# Allegro board SDHCalFEB.brd (continued)
## Routing (per net, layer and track width the routed paths; a pad name or vN(x,y) marks a point on that pad's centre or on a via; arc(x,y) is an arc through that point) (continued)
GEM_OUT_L27: length 37.2
  TOP w0.127: R943.1 v2(95.05,157.45) 96.53,157.45 R1995.2
  GND1 w0.127: v2(95.05,157.45) v3(95.05,156.72)
  SIG3 w0.127: v3(95.05,156.72) 95.05,150.52 91.19,146.66 88.54,146.66 85.85,143.97 73.23,143.97 v3(71.46,142.2)
  GND3 w0.127: v4(72.2,142.2) v3(71.46,142.2)
GEM_OUT_L28: length 3.4
  TOP w0.127: R944.1 82.2,141.68 v2(82.2,140.73) 82.2,139.78 R1991.2
  GND1 w0.127: v3(82.2,141.46) v2(82.2,140.73)
  GND3 w0.127: v4(82.2,142.2) v3(82.2,141.46)
GEM_OUT_L29: length 3.4
  TOP w0.127: R945.1 92.2,141.69 v2(92.2,140.73) 92.2,139.77 R1987.2
  GND1 w0.127: v3(92.2,141.46) v2(92.2,140.73)
  GND3 w0.127: v4(92.2,142.2) v3(92.2,141.46)
GEM_OUT_L31: length 31.4
  TOP w0.127: R2003.2 23.15,138.84 v2(24.1,138.84) R947.1
  GND1 w0.127: v3(24.84,138.84) v2(24.1,138.84)
  SIG3 w0.127: v3(51.46,142.2) 43.09,142.2 39.73,138.84 v3(24.84,138.84)
  GND3 w0.127: v4(52.2,142.2) v3(51.46,142.2)
GEM_OUT_L34: length 21.4
  TOP w0.127: R2031.2 23.37,136.19 v2(24.31,136.19) R950.1
  GND1 w0.127: v3(25.04,136.19) v2(24.31,136.19)
  SIG3 w0.127: v3(41.24,132.2) 29.04,132.2 v3(25.04,136.19)
  GND3 w0.127: v4(42.2,132.2) v3(41.24,132.2)
GEM_OUT_L36: length 40.5
  TOP w0.127: R952.1 v2(21.84,114.33) 21.84,113.37 R2027.2
  GND1 w0.127: v3(21.84,115.06) v2(21.84,114.33)
  SIG3 w0.127: v3(52.2,131.46) 38.25,131.46 v3(21.84,115.06)
  GND3 w0.127: v4(52.2,132.2) v3(52.2,131.46)
GEM_OUT_L37: length 4
  TOP w0.127: R2011.2 93.67,130.69 v2(93.67,132.2) 94.63,132.2 R953.1
  GND1 w0.127: v3(92.94,132.2) v2(93.67,132.2)
  GND3 w0.127: v4(92.2,132.2) v3(92.94,132.2)
GEM_OUT_L38: length 3.4
  TOP w0.127: R2015.2 82.73,132.2 v2(83.67,132.2) 84.62,132.2 R954.1
  GND1 w0.127: v3(82.94,132.2) v2(83.67,132.2)
  GND3 w0.127: v4(82.2,132.2) v3(82.94,132.2)
GEM_OUT_L39: length 19.1
  TOP w0.127: R2019.2 86.7,130.25 R955.1 v2(86.69,131.6)
  GND1 w0.127: v3(85.95,131.6) v2(86.69,131.6)
  SIG3 w0.127: v3(85.95,131.6) 72.07,131.6 v3(71.46,132.2)
  GND3 w0.127: v4(72.2,132.2) v3(71.46,132.2)
GEM_OUT_L40: length 47.9
  TOP w0.127: R2023.2 24.48,113.37 v2(24.48,114.33) R956.1
  GND1 w0.127: v3(24.48,115.06) v2(24.48,114.33)
  SIG3 w0.127: v3(62.2,131.46) 60.1,129.36 38.78,129.36 v3(24.48,115.06)
  GND3 w0.127: v4(62.2,132.2) v3(62.2,131.46)
GEM_OUT_L42: length 28.6
  TOP w0.127: R958.1 v2(29.79,112.8) 29.79,111.85 R2051.2
  GND1 w0.127: v3(29.79,113.54) v2(29.79,112.8)
  SIG3 w0.127: v3(29.79,113.54) 38.45,122.2 v3(51.46,122.2)
  GND3 w0.127: v4(52.2,122.2) v3(51.46,122.2)
GEM_OUT_L45: length 36
  TOP w0.127: R961.1 v2(32.43,113.89) 32.43,112.94 R2047.2
  GND1 w0.127: v3(32.43,114.63) v2(32.43,113.89)
  SIG3 w0.127: v3(32.43,114.63) 55.37,114.63 v3(62.2,121.46)
  GND3 w0.127: v4(62.2,122.2) v3(62.2,121.46)
GEM_OUT_L47: length 3.9
  TOP w0.127: R2035.2 93.67,120.72 v2(93.67,122.2) R963.1
  GND1 w0.127: v3(92.94,122.2) v2(93.67,122.2)
  GND3 w0.127: v4(92.2,122.2) v3(92.94,122.2)
GEM_OUT_L48: length 3.9
  TOP w0.127: R964.1 84.65,122.2 v2(83.67,122.2) 83.67,120.72 R2039.2
  GND1 w0.127: v3(82.94,122.2) v2(83.67,122.2)
  GND3 w0.127: v4(82.2,122.2) v3(82.94,122.2)
GEM_OUT_L49: length 8.7
  TOP w0.127: R965.1 79.42,122.2 v2(78.46,122.2) 78.46,120.71 R2043.2
  GND1 w0.127: v3(77.72,122.2) v2(78.46,122.2)
  SIG3 w0.127: v3(72.94,122.2) v3(77.72,122.2)
  GND3 w0.127: v4(72.2,122.2) v3(72.94,122.2)
GEM_OUT_L50: length 3.4
  TOP w0.127: R966.1 42.2,119.76 v2(42.2,120.73) 42.2,121.68 R2055.2
  GND1 w0.127: v3(42.2,121.46) v2(42.2,120.73)
  GND3 w0.127: v4(42.2,122.2) v3(42.2,121.46)
GEM_OUT_L53: length 3.9
  TOP w0.127: R2079.2 40.7,110.73 v2(42.2,110.73) 42.2,109.77 R969.1
  GND1 w0.127: v3(42.2,111.46) v2(42.2,110.73)
  GND3 w0.127: v4(42.2,112.2) v3(42.2,111.46)
GEM_OUT_L54: length 3.9
  TOP w0.127: R2103.2 40.73,100.73 v2(40.73,102.2) 39.78,102.2 R970.1
  GND1 w0.127: v3(41.46,102.2) v2(40.73,102.2)
  GND3 w0.127: v4(42.2,102.2) v3(41.46,102.2)
GEM_OUT_L55: length 3.4
  TOP w0.127: R971.1 49.76,102.2 v2(50.73,102.2) 51.68,102.2 R2099.2
  GND1 w0.127: v3(51.46,102.2) v2(50.73,102.2)
  GND3 w0.127: v4(52.2,102.2) v3(51.46,102.2)
GEM_OUT_L56: length 3.9
  TOP w0.127: R2075.2 50.73,110.71 v2(50.73,112.2) 49.77,112.2 R972.1
  GND1 w0.127: v3(51.46,112.2) v2(50.73,112.2)
  GND3 w0.127: v4(52.2,112.2) v3(51.46,112.2)
GEM_OUT_L57: length 3.9
  TOP w0.127: R2095.2 60.73,100.72 v2(60.73,102.2) R973.1
  GND1 w0.127: v3(61.46,102.2) v2(60.73,102.2)
  GND3 w0.127: v4(62.2,102.2) v3(61.46,102.2)
GEM_OUT_L58: length 3.4
  TOP w0.127: R974.1 69.75,102.2 v2(70.73,102.2) 71.67,102.2 R2091.2
  GND1 w0.127: v3(71.46,102.2) v2(70.73,102.2)
  GND3 w0.127: v4(72.2,102.2) v3(71.46,102.2)
GEM_OUT_L59: length 3.4
  TOP w0.127: R2087.2 81.68,102.2 v2(80.73,102.2) R975.1
  GND1 w0.127: v3(81.46,102.2) v2(80.73,102.2)
  GND3 w0.127: v4(82.2,102.2) v3(81.46,102.2)
GEM_OUT_L60: length 3.4
  TOP w0.127: R2083.2 91.68,102.2 v2(90.73,102.2) R976.1
  GND1 w0.127: v3(91.46,102.2) v2(90.73,102.2)
  GND3 w0.127: v4(92.2,102.2) v3(91.46,102.2)
GEM_OUT_L61: length 3.9
  TOP w0.127: R2059.2 93.68,110.73 v2(92.2,110.73) 92.2,109.77 R977.1
  GND1 w0.127: v3(92.2,111.46) v2(92.2,110.73)
  GND3 w0.127: v4(92.2,112.2) v3(92.2,111.46)
GEM_OUT_L62: length 3.9
  TOP w0.127: R978.1 82.2,109.78 v2(82.2,110.73) 83.69,110.73 R2063.2
  GND1 w0.127: v3(82.2,111.46) v2(82.2,110.73)
  GND3 w0.127: v4(82.2,112.2) v3(82.2,111.46)
GEM_OUT_L63: length 3.4
  TOP w0.127: R979.1 72.2,109.78 v2(72.2,110.73) 72.2,111.7 R2067.2
  GND1 w0.127: v3(72.2,111.46) v2(72.2,110.73)
  GND3 w0.127: v4(72.2,112.2) v3(72.2,111.46)
GEM_OUT_L64: length 3.4
  TOP w0.127: R2071.2 60.73,112.2 v2(60.73,112.2) R980.1
  GND1 w0.127: v3(61.46,112.2) v2(60.73,112.2)
  GND3 w0.127: v4(62.2,112.2) v3(61.46,112.2)
GEM_OUT_M1: length 5.1
  TOP w0.127: R1000.1 332.2,78.11 v2(332.2,80.73) 333.15,80.73 R2206.2
  GND1 w0.127: v3(332.2,81.46) v2(332.2,80.73)
  GND3 w0.127: v4(332.2,82.2) v3(332.2,81.46)
GEM_OUT_M2: length 3.4
  TOP w0.127: R2176.2 332.2,92.71 v2(332.2,93.67) 332.2,94.64 R1001.1
  GND1 w0.127: v3(332.2,92.94) v2(332.2,93.67)
  GND3 w0.127: v4(332.2,92.2) v3(332.2,92.94)
GEM_OUT_M3: length 3.4
  TOP w0.127: R2208.2 322.2,82.71 v2(322.2,83.67) 322.2,84.64 R1002.1
  GND1 w0.127: v3(322.2,82.94) v2(322.2,83.67)
  GND3 w0.127: v4(322.2,82.2) v3(322.2,82.94)
GEM_OUT_M4: length 3.9
  TOP w0.127: R2225.2 320.73,93.69 v2(320.73,92.2) 319.77,92.2 R1003.1
  GND1 w0.127: v3(321.46,92.2) v2(320.73,92.2)
  GND3 w0.127: v4(322.2,92.2) v3(321.46,92.2)
GEM_OUT_M5: length 3.4
  TOP w0.127: R1004.1 312.2,84.63 v2(312.2,83.67) 312.2,82.71 R2209.2
  GND1 w0.127: v3(312.2,82.94) v2(312.2,83.67)
  GND3 w0.127: v4(312.2,82.2) v3(312.2,82.94)
GEM_OUT_M6: length 3.9
  TOP w0.127: R1005.1 309.79,92.2 v2(310.73,92.2) 310.73,93.69 R2181.2
  GND1 w0.127: v3(311.46,92.2) v2(310.73,92.2)
  GND3 w0.127: v4(312.2,92.2) v3(311.46,92.2)
GEM_OUT_M7: length 3.4
  TOP w0.127: R1006.1 v2(302.2,83.67) 302.2,82.71 R2221.2
  GND1 w0.127: v3(302.2,82.94) v2(302.2,83.67)
  GND3 w0.127: v4(302.2,82.2) v3(302.2,82.94)
GEM_OUT_M8: length 3.9
  TOP w0.127: R1007.1 299.78,92.2 v2(300.73,92.2) 300.73,93.68 R2183.2
  GND1 w0.127: v3(301.46,92.2) v2(300.73,92.2)
  GND3 w0.127: v4(302.2,92.2) v3(301.46,92.2)
GEM_OUT_M9: length 3.4
  TOP w0.127: R2223.2 292.2,82.73 v2(292.2,83.67) 292.2,84.64 R1008.1
  GND1 w0.127: v3(292.2,82.94) v2(292.2,83.67)
  GND3 w0.127: v4(292.2,82.2) v3(292.2,82.94)
GEM_OUT_M10: length 3.4
  TOP w0.127: R1009.1 292.2,94.63 v2(292.2,93.67) 292.2,92.72 R2185.2
  GND1 w0.127: v3(292.2,92.94) v2(292.2,93.67)
  GND3 w0.127: v4(292.2,92.2) v3(292.2,92.94)
GEM_OUT_M11: length 3.4
  TOP w0.127: R2186.2 282.2,92.72 v2(282.2,93.67) 282.2,94.64 R1010.1
  GND1 w0.127: v3(282.2,92.94) v2(282.2,93.67)
  GND3 w0.127: v4(282.2,92.2) v3(282.2,92.94)
GEM_OUT_M12: length 3.4
  TOP w0.127: R1011.1 282.2,84.64 v2(282.2,83.67) 282.2,82.73 R2224.2
  GND1 w0.127: v3(282.2,82.94) v2(282.2,83.67)
  GND3 w0.127: v4(282.2,82.2) v3(282.2,82.94)
GEM_OUT_M13: length 3.9
  TOP w0.127: R1012.1 274.62,92.2 v2(273.67,92.2) 273.67,93.68 R2194.2
  GND1 w0.127: v3(272.94,92.2) v2(273.67,92.2)
  GND3 w0.127: v4(272.2,92.2) v3(272.94,92.2)
GEM_OUT_M14: length 3.9
  TOP w0.127: R1013.1 262.2,89.78 v2(262.2,90.73) 260.72,90.73 R2218.2
  GND1 w0.127: v3(262.2,91.46) v2(262.2,90.73)
  GND3 w0.127: v4(262.2,92.2) v3(262.2,91.46)
GEM_OUT_M15: length 3.9
  TOP w0.127: 282.73,72.2 282.73,72.2 v2(283.67,72.2) ; 282.73,72.2 R2260.2 ; 282.73,72.2 R1014.1
  GND1 w0.127: v3(282.94,72.2) v2(283.67,72.2)
  GND3 w0.127: v4(282.2,72.2) v3(282.94,72.2)
GEM_OUT_M16: length 3.4
  TOP w0.127: R1015.1 274.61,82.2 v2(273.67,82.2) 272.71,82.2 R2232.2
  GND1 w0.127: v3(272.94,82.2) v2(273.67,82.2)
  GND3 w0.127: v4(272.2,82.2) v3(272.94,82.2)
GEM_OUT_M17: length 3.4
  TOP w0.127: R1016.1 264.62,82.2 v2(263.67,82.2) 262.72,82.2 R2236.2
  GND1 w0.127: v3(262.94,82.2) v2(263.67,82.2)
  GND3 w0.127: v4(262.2,82.2) v3(262.94,82.2)
GEM_OUT_M18: length 38.7
  TOP w0.127: R2256.2 257.83,79.25 v2(258.78,79.25) R1017.1
  GND1 w0.127: v3(259.51,79.25) v2(258.78,79.25)
  SIG3 w0.127: v3(292.2,72.94) 285.89,79.25 v3(259.51,79.25)
  GND3 w0.127: v4(292.2,72.2) v3(292.2,72.94)
GEM_OUT_M19: length 3.4
  TOP w0.127: R2264.2 274.61,72.2 v2(273.67,72.2) 272.72,72.2 R1018.1
  GND1 w0.127: v3(272.94,72.2) v2(273.67,72.2)
  GND3 w0.127: v4(272.2,72.2) v3(272.94,72.2)
GEM_OUT_M20: length 3.4
  TOP w0.127: R1019.1 263.14,73.67 v2(262.2,73.67) 261.25,73.67 R2268.2
  GND1 w0.127: v3(262.2,72.94) v2(262.2,73.67)
  GND3 w0.127: v4(262.2,72.2) v3(262.2,72.94)
GEM_OUT_M21: length 45
  TOP w0.127: R2252.2 258.88,71.4 v2(259.82,71.4) R1020.1
  GND1 w0.127: v2(259.82,71.4) v3(260.55,71.4)
  SIG3 w0.127: v3(302.2,71.46) 261.16,71.46 261.1,71.4 v3(260.55,71.4)
  GND3 w0.127: v4(302.2,72.2) v3(302.2,71.46)
GEM_OUT_M22: length 9.3
  TOP w0.127: R2248.2 318.61,72.2 v2(319.56,72.2) 320.49,72.2 R1021.1
  GND1 w0.127: v3(318.82,72.2) v2(319.56,72.2)
  SIG3 w0.127: v3(312.94,72.2) v3(318.82,72.2)
  GND3 w0.127: v4(312.2,72.2) v3(312.94,72.2)
GEM_OUT_M23: length 3.4
  TOP w0.127: R1022.1 323.16,70.73 v2(322.2,70.73) 321.23,70.73 R2244.2
  GND1 w0.127: v3(322.2,71.46) v2(322.2,70.73)
  GND3 w0.127: v4(322.2,72.2) v3(322.2,71.46)
GEM_OUT_M24: length 3.9
  TOP w0.127: R1023.1 330.51,71.46 v2(331.46,71.46) 331.46,72.97 R2240.2
  GND1 w0.127: v3(332.2,71.46) v2(331.46,71.46)
  GND3 w0.127: v4(332.2,72.2) v3(332.2,71.46)
GEM_OUT_M25: length 23.7
  TOP w0.127: v2(271.73,63.94) R1024.1 272.68,63.93 R2288.2
  GND1 w0.127: v2(271.73,63.94) v3(272.47,63.94)
  SIG3 w0.127: v3(291.42,62.2) 282.35,62.2 280.61,63.94 v3(272.47,63.94)
  GND3 w0.127: v4(292.2,62.2) v3(291.42,62.2)
GEM_OUT_M26: length 11.9
  TOP w0.127: R2292.2 274.2,60.77 R1025.1 v2(273.25,62.26)
  GND1 w0.127: v2(273.25,62.26) v3(273.77,61.73)
  SIG3 w0.127: v3(273.77,61.73) 274.81,61.73 274.86,61.68 v3(281.68,61.68)
  GND3 w0.127: v4(282.2,62.2) v3(281.68,61.68)
GEM_OUT_M27: length 13.3
  TOP w0.127: R2280.2 v2(320.52,66.12) R1026.1
  GND1 w0.127: v3(319.79,66.12) v2(320.52,66.12)
  SIG3 w0.127: v3(311.46,62.2) 312.69,62.2 315.14,64.64 318.31,64.64 v3(319.79,66.12)
  GND3 w0.127: v4(312.2,62.2) v3(311.46,62.2)
GEM_OUT_M28: length 3.4
  TOP w0.127: R1027.1 324.62,62.2 v2(323.67,62.2) 322.71,62.2 R2276.2
  GND1 w0.127: v3(322.94,62.2) v2(323.67,62.2)
  GND3 w0.127: v4(322.2,62.2) v3(322.94,62.2)
GEM_OUT_M29: length 3.4
  TOP w0.127: R2272.2 332.2,61.68 v2(332.2,60.73) 332.2,59.78 R1028.1
  GND1 w0.127: v3(332.2,61.46) v2(332.2,60.73)
  GND3 w0.127: v4(332.2,62.2) v3(332.2,61.46)
GEM_OUT_M30: length 3.4
  TOP w0.127: R1029.1 269.78,62.2 v2(270.73,62.2) 271.7,62.2 R2296.2
  GND1 w0.127: v3(271.46,62.2) v2(270.73,62.2)
  GND3 w0.127: v4(272.2,62.2) v3(271.46,62.2)
GEM_OUT_M31: length 46.4
  TOP w0.127: R1030.1 v2(261.45,67.36) R2284.2
  GND1 w0.127: v3(261.45,66.62) v2(261.45,67.36)
  SIG3 w0.127: v3(261.45,66.62) 279.37,66.62 283.34,62.66 288.32,62.66 289,63.35 300.32,63.35 v3(301.46,62.2)
  GND3 w0.127: v4(302.2,62.2) v3(301.46,62.2)
GEM_OUT_M32: length 3.9
  TOP w0.127: R2300.2 261.45,61.46 v2(262.94,61.46) 262.94,60.52 R1031.1
  GND1 w0.127: v2(262.94,61.46) v3(262.2,61.46)
  GND3 w0.127: v4(262.2,62.2) v3(262.2,61.46)
GEM_OUT_M33: length 4
  TOP w0.127: R1032.1 263.67,53.16 v2(263.67,52.2) 262.13,52.2 R2330.2
  GND1 w0.127: v3(262.94,52.2) v2(263.67,52.2)
  GND3 w0.127: v4(262.2,52.2) v3(262.94,52.2)
GEM_OUT_M35: length 3.4
  TOP w0.127: R2326.2 271.68,52.2 v2(270.73,52.2) 269.77,52.2 R1034.1
  GND1 w0.127: v3(271.46,52.2) v2(270.73,52.2)
  GND3 w0.127: v4(272.2,52.2) v3(271.46,52.2)
GEM_OUT_M40: length 7.4
  TOP w0.127: v2(280.94,51.68) 278.92,49.66 R1039.1 R2323.2
  GND1 w0.127: v3(281.46,52.2) v2(280.94,51.68)
  GND3 w0.127: v4(282.2,52.2) v3(281.46,52.2)
GEM_OUT_M41: length 3.4
  TOP w0.127: R1040.1 262.2,44.62 v2(262.2,43.67) 262.2,42.73 R2362.2
  GND1 w0.127: v3(262.2,42.94) v2(262.2,43.67)
  GND3 w0.127: v4(262.2,42.2) v3(262.2,42.94)
GEM_OUT_M44: length 3.4
  TOP w0.127: R1043.1 269.78,42.2 v2(270.73,42.2) 271.67,42.2 R2358.2
  GND1 w0.127: v3(271.46,42.2) v2(270.73,42.2)
  GND3 w0.127: v4(272.2,42.2) v3(271.46,42.2)
GEM_OUT_M50: length 3.4
  TOP w0.127: R2354.2 282.2,41.68 v2(282.2,40.73) 282.2,39.77 R1049.1
  GND1 w0.127: v3(282.2,41.46) v2(282.2,40.73)
  GND3 w0.127: v4(282.2,42.2) v3(282.2,41.46)
GEM_OUT_M51: length 28.8
  TOP w0.127: R1050.1 v2(276.05,32.85) 275.09,32.85 R2320.2
  GND1 w0.127: v2(276.05,32.85) v3(276.78,32.85)
  SIG3 w0.127: v3(276.78,32.85) 291.46,47.53 v3(291.46,52.2)
  GND3 w0.127: v4(292.2,52.2) v3(291.46,52.2)
GEM_OUT_M52: length 22.1
  TOP w0.127: R1051.1 v2(277.42,30.23) 276.46,30.23 R2350.2
  GND1 w0.127: v3(278.16,30.23) v2(277.42,30.23)
  SIG3 w0.127: v3(278.16,30.23) 280.97,30.23 v3(292.2,41.46)
  GND3 w0.127: v4(292.2,42.2) v3(292.2,41.46)
GEM_OUT_M53: length 1.5
  TOP w0.127: R1052.1 275.22,24.62 R2484.1
GEM_OUT_M54: length 35.5
  TOP w0.127: R2346.2 276.34,22.23 v2(277.29,22.23) R1053.1
  GND1 w0.127: v2(277.29,22.23) v3(278.03,22.23)
  SIG3 w0.127: v3(278.03,22.23) 282.97,22.23 v3(302.2,41.46)
  GND3 w0.127: v4(302.2,42.2) v3(302.2,41.46)
GEM_OUT_M55: length 45.7
  TOP w0.127: R2312.2 289.45,17.28 v2(289.45,18.25) R1054.1
  GND1 w0.127: v2(289.45,18.25) v3(289.45,18.98)
  SIG3 w0.127: v3(311.46,52.2) 311.46,45.88 289.45,23.87 v3(289.45,18.98)
  GND3 w0.127: v4(312.2,52.2) v3(311.46,52.2)
GEM_OUT_M56: length 35
  TOP w0.127: R1055.1 v2(291.89,18.24) 291.89,17.26 R2342.2
  GND1 w0.127: v3(291.89,18.97) v2(291.89,18.24)
  SIG3 w0.127: v3(312.2,41.46) 312.2,38.08 293.09,18.97 v3(291.89,18.97)
  GND3 w0.127: v4(312.2,42.2) v3(312.2,41.46)
GEM_OUT_M57: length 37.5
  TOP w0.127: R1056.1 v2(306.98,18.33) 307.94,18.33 R2334.2
  GND1 w0.127: v3(307.72,18.33) v2(306.98,18.33)
  SIG3 w0.127: v3(307.72,18.33) 308.7,18.33 330.96,40.59 331.33,40.59 v3(332.2,41.46)
  GND3 w0.127: v4(332.2,42.2) v3(332.2,41.46)
GEM_OUT_M58: length 44.4
  TOP w0.127: R1057.1 v2(306.65,21.15) 307.61,21.15 R2304.2
  GND1 w0.127: v3(307.39,21.15) v2(306.65,21.15)
  SIG3 w0.127: v3(331.46,52.2) 331.46,45.22 v3(307.39,21.15)
  GND3 w0.127: v4(332.2,52.2) v3(331.46,52.2)
GEM_OUT_M59: length 23.5
  TOP w0.127: R2338.2 309.24,26.84 v2(308.28,26.84) R1058.1
  GND1 w0.127: v2(308.28,26.84) v3(309.02,26.84)
  SIG3 w0.127: v3(322.2,41.46) 322.2,40.02 v3(309.02,26.84)
  GND3 w0.127: v4(322.2,42.2) v3(322.2,41.46)
GEM_OUT_M60: length 32
  TOP w0.127: R1059.1 v2(306.25,29.56) 307.2,29.56 R2308.2
  GND1 w0.127: v3(306.98,29.56) v2(306.25,29.56)
  SIG3 w0.127: v3(321.46,52.2) 321.46,44.04 v3(306.98,29.56)
  GND3 w0.127: v4(322.2,52.2) v3(321.46,52.2)
GEM_OUT_N1: length 5.1
  TOP w0.127: R2196.2 252.2,81.67 v2(252.2,80.73) 252.2,78.12 R1084.1
  GND1 w0.127: v3(252.2,81.46) v2(252.2,80.73)
  GND3 w0.127: v4(252.2,82.2) v3(252.2,81.46)
GEM_OUT_N2: length 3.4
  TOP w0.127: R2177.2 252.2,92.72 v2(252.2,93.67) 252.2,94.63 R1085.1
  GND1 w0.127: v3(252.2,92.94) v2(252.2,93.67)
  GND3 w0.127: v4(252.2,92.2) v3(252.2,92.94)
GEM_OUT_N3: length 3.4
  TOP w0.127: R2197.2 242.2,82.71 v2(242.2,83.67) 242.2,84.63 R1086.1
  GND1 w0.127: v3(242.2,82.94) v2(242.2,83.67)
  GND3 w0.127: v4(242.2,82.2) v3(242.2,82.94)
GEM_OUT_N4: length 3.9
  TOP w0.127: R1087.1 239.76,92.2 v2(240.73,92.2) 240.73,93.68 R2213.2
  GND1 w0.127: v3(241.46,92.2) v2(240.73,92.2)
  GND3 w0.127: v4(242.2,92.2) v3(241.46,92.2)
GEM_OUT_N5: length 3.4
  TOP w0.127: R1088.1 232.2,84.63 v2(232.2,83.67) 232.2,82.72 R2198.2
  GND1 w0.127: v3(232.2,82.94) v2(232.2,83.67)
  GND3 w0.127: v4(232.2,82.2) v3(232.2,82.94)
GEM_OUT_N6: length 3.9
  TOP w0.127: R1089.1 229.78,92.2 v2(230.73,92.2) 230.73,93.68 R2214.2
  GND1 w0.127: v3(231.46,92.2) v2(230.73,92.2)
  GND3 w0.127: v4(232.2,92.2) v3(231.46,92.2)
GEM_OUT_N7: length 3.4
  TOP w0.127: R2210.2 222.2,82.72 v2(222.2,83.67) 222.2,84.64 R1090.1
  GND1 w0.127: v3(222.2,82.94) v2(222.2,83.67)
  GND3 w0.127: v4(222.2,82.2) v3(222.2,82.94)
GEM_OUT_N8: length 3.9
  TOP w0.127: R1091.1 219.77,92.2 v2(220.73,92.2) 220.73,93.69 R2226.2
  GND1 w0.127: v3(221.46,92.2) v2(220.73,92.2)
  GND3 w0.127: v4(222.2,92.2) v3(221.46,92.2)
GEM_OUT_N9: length 3.4
  TOP w0.127: R1092.1 212.2,84.63 v2(212.2,83.67) 212.2,82.71 R2211.2
  GND1 w0.127: v3(212.2,82.94) v2(212.2,83.67)
  GND3 w0.127: v4(212.2,82.2) v3(212.2,82.94)
GEM_OUT_N10: length 3.4
  TOP w0.127: R2227.2 212.2,92.71 v2(212.2,93.67) 212.2,94.63 R1093.1
  GND1 w0.127: v3(212.2,92.94) v2(212.2,93.67)
  GND3 w0.127: v4(212.2,92.2) v3(212.2,92.94)
GEM_OUT_N11: length 3.4
  TOP w0.127: R2228.2 202.2,92.72 v2(202.2,93.67) 202.2,94.63 R1094.1
  GND1 w0.127: v3(202.2,92.94) v2(202.2,93.67)
  GND3 w0.127: v4(202.2,92.2) v3(202.2,92.94)
GEM_OUT_N12: length 3.4
  TOP w0.127: R1095.1 202.2,84.63 v2(202.2,83.67) R2212.2
  GND1 w0.127: v3(202.2,82.94) v2(202.2,83.67)
  GND3 w0.127: v4(202.2,82.2) v3(202.2,82.94)
GEM_OUT_N13: length 3.9
  TOP w0.127: R2187.2 193.67,93.69 v2(193.67,92.2) 194.63,92.2 R1096.1
  GND1 w0.127: v3(192.94,92.2) v2(193.67,92.2)
  GND3 w0.127: v4(192.2,92.2) v3(192.94,92.2)
GEM_OUT_N14: length 3.4
  TOP w0.127: R2204.2 182.2,91.69 v2(182.2,90.73) 182.2,89.77 R1097.1
  GND1 w0.127: v3(182.2,91.46) v2(182.2,90.73)
  GND3 w0.127: v4(182.2,92.2) v3(182.2,91.46)
GEM_OUT_N15: length 3.9
  TOP w0.127: R2261.2 202.69,72.2 R1098.1 202.72,72.2 v2(203.67,72.2)
  GND1 w0.127: v3(202.94,72.2) v2(203.67,72.2)
  GND3 w0.127: v4(202.2,72.2) v3(202.94,72.2)
GEM_OUT_N16: length 3.4
  TOP w0.127: R2233.2 192.7,82.2 v2(193.67,82.2) 194.63,82.2 R1099.1
  GND1 w0.127: v3(192.94,82.2) v2(193.67,82.2)
  GND3 w0.127: v4(192.2,82.2) v3(192.94,82.2)
GEM_OUT_N17: length 3.4
  TOP w0.127: R2237.2 182.72,82.2 v2(183.67,82.2) 184.64,82.2 R1100.1
  GND1 w0.127: v3(182.94,82.2) v2(183.67,82.2)
  GND3 w0.127: v4(182.2,82.2) v3(182.94,82.2)
GEM_OUT_N18: length 38.4
  TOP w0.127: R1101.1 v2(179.04,79.27) 178.09,79.27 R2257.2
  GND1 w0.127: v3(179.78,79.27) v2(179.04,79.27)
  SIG3 w0.127: v3(212.2,72.94) 205.86,79.27 v3(179.78,79.27)
  GND3 w0.127: v4(212.2,72.2) v3(212.2,72.94)
GEM_OUT_N19: length 3.4
  TOP w0.127: R1102.1 192.74,72.2 v2(193.67,72.2) 194.63,72.2 R2265.2
  GND1 w0.127: v3(192.94,72.2) v2(193.67,72.2)
  GND3 w0.127: v4(192.2,72.2) v3(192.94,72.2)
GEM_OUT_N20: length 3.4
  TOP w0.127: R1103.1 183.16,73.67 v2(182.2,73.67) 181.27,73.67 R2269.2
  GND1 w0.127: v3(182.2,72.94) v2(182.2,73.67)
  GND3 w0.127: v4(182.2,72.2) v3(182.2,72.94)
GEM_OUT_N21: length 45.1
  TOP w0.127: R1104.1 v2(179.81,71.27) 178.85,71.27 R2253.2
  GND1 w0.127: v3(180.54,71.27) v2(179.81,71.27)
  SIG3 w0.127: v3(180.54,71.27) 181.09,71.27 181.28,71.46 v3(222.2,71.46)
  GND3 w0.127: v4(222.2,72.2) v3(222.2,71.46)
GEM_OUT_N22: length 8.9
  TOP w0.127: R2249.2 238.22,72.2 v2(239.17,72.2) 240.13,72.2 R1105.1
  GND1 w0.127: v3(238.43,72.2) v2(239.17,72.2)
  SIG3 w0.127: v3(232.94,72.2) v3(238.43,72.2)
  GND3 w0.127: v4(232.2,72.2) v3(232.94,72.2)
GEM_OUT_N23: length 3.4
  TOP w0.127: R1106.1 243.15,70.73 v2(242.2,70.73) 241.24,70.73 R2245.2
  GND1 w0.127: v3(242.2,71.46) v2(242.2,70.73)
  GND3 w0.127: v4(242.2,72.2) v3(242.2,71.46)
GEM_OUT_N24: length 3.4
  TOP w0.127: R2241.2 249.74,72.2 v2(250.73,72.2) 251.69,72.2 R1107.1
  GND1 w0.127: v3(251.46,72.2) v2(250.73,72.2)
  GND3 w0.127: v4(252.2,72.2) v3(251.46,72.2)
GEM_OUT_N25: length 24
  TOP w0.127: R2289.2 192.31,63.88 R1108.1 v2(191.34,63.89)
  GND1 w0.127: v3(192.07,63.89) v2(191.34,63.89)
  SIG3 w0.127: v3(211.46,62.2) 202.14,62.2 200.45,63.89 v3(192.07,63.89)
  GND3 w0.127: v4(212.2,62.2) v3(211.46,62.2)
GEM_OUT_N26: length 11.5
  TOP w0.127: v2(193.62,62.38) R1109.1 194.57,60.9 R2293.2
  GND1 w0.127: v3(194.15,61.86) v2(193.62,62.38)
  SIG3 w0.127: v3(194.15,61.86) 200.95,61.86 201.13,61.68 v3(201.68,61.68)
  GND3 w0.127: v4(202.2,62.2) v3(201.68,61.68)
GEM_OUT_N27: length 21.4
  TOP w0.127: R1110.1 v2(248.97,65.21) 248.01,65.21 R2281.2
  GND1 w0.127: v3(248.23,65.21) v2(248.97,65.21)
  SIG3 w0.127: v3(231.46,62.2) 234.47,65.21 v3(248.23,65.21)
  GND3 w0.127: v4(232.2,62.2) v3(231.46,62.2)
GEM_OUT_N28: length 4
  TOP w0.127: R2277.2 242.94,59.95 v2(242.94,61.46) 243.88,61.46 R1111.1
  GND1 w0.127: v3(242.2,61.46) v2(242.94,61.46)
  GND3 w0.127: v4(242.2,62.2) v3(242.2,61.46)
GEM_OUT_N29: length 4
  TOP w0.127: R2273.2 251.46,59.95 v2(251.46,61.46) 250.51,61.46 R1112.1
  GND1 w0.127: v3(252.2,61.46) v2(251.46,61.46)
  GND3 w0.127: v4(252.2,62.2) v3(252.2,61.46)
GEM_OUT_N30: length 3.4
  TOP w0.127: R2297.2 191.71,62.2 v2(190.73,62.2) 189.76,62.2 R1113.1
  GND1 w0.127: v3(191.46,62.2) v2(190.73,62.2)
  GND3 w0.127: v4(192.2,62.2) v3(191.46,62.2)
GEM_OUT_N31: length 44.1
  TOP w0.127: R2285.2 v2(182.45,66.19) R1114.1
  GND1 w0.127: v3(182.45,65.46) v2(182.45,66.19)
  SIG3 w0.127: v3(182.45,65.46) 200.25,65.46 203.02,62.69 207.54,62.69 207.98,63.12 220.54,63.12 v3(221.46,62.2)
  GND3 w0.127: v4(222.2,62.2) v3(221.46,62.2)
GEM_OUT_N32: length 3.9
  TOP w0.127: R2301.2 181.44,61.46 v2(182.94,61.46) 182.94,60.51 R1115.1
  GND1 w0.127: v3(182.2,61.46) v2(182.94,61.46)
  GND3 w0.127: v4(182.2,62.2) v3(182.2,61.46)
GEM_OUT_N33: length 3.4
  TOP w0.127: R2331.2 183.67,51.25 v2(183.67,52.2) 183.67,53.15 R1116.1
  GND1 w0.127: v3(182.94,52.2) v2(183.67,52.2)
  GND3 w0.127: v4(182.2,52.2) v3(182.94,52.2)
GEM_OUT_N35: length 3.4
  TOP w0.127: R2327.2 191.69,52.2 v2(190.73,52.2) 189.78,52.2 R1118.1
  GND1 w0.127: v3(191.46,52.2) v2(190.73,52.2)
  GND3 w0.127: v4(192.2,52.2) v3(191.46,52.2)
GEM_OUT_N40: length 7.9
  TOP w0.127: R2324.2 R1123.1 198.49,49.96 v2(200.73,52.2)
  GND1 w0.127: v3(201.46,52.2) v2(200.73,52.2)
  GND3 w0.127: v4(202.2,52.2) v3(201.46,52.2)
GEM_OUT_N41: length 3.4
  TOP w0.127: R1124.1 182.2,44.62 v2(182.2,43.67) 182.2,42.73 R2363.2
  GND1 w0.127: v3(182.2,42.94) v2(182.2,43.67)
  GND3 w0.127: v4(182.2,42.2) v3(182.2,42.94)
GEM_OUT_N44: length 3.9
  TOP w0.127: R1127.1 189.79,42.2 v2(190.73,42.2) 190.73,40.69 R2359.2
  GND1 w0.127: v3(191.46,42.2) v2(190.73,42.2)
  GND3 w0.127: v4(192.2,42.2) v3(191.46,42.2)
GEM_OUT_N50: length 3.9
  TOP w0.127: v2(202.2,40.73) 202.2,39.78 R1133.1 R2355.2
  GND1 w0.127: v3(202.2,41.46) v2(202.2,40.73)
  GND3 w0.127: v4(202.2,42.2) v3(202.2,41.46)
GEM_OUT_N51: length 28.9
  TOP w0.127: R1134.1 v2(196.09,32.77) 195.13,32.77 R2321.2
  GND1 w0.127: v3(196.82,32.77) v2(196.09,32.77)
  SIG3 w0.127: v3(196.82,32.77) 211.46,47.41 v3(211.46,52.2)
  GND3 w0.127: v4(212.2,52.2) v3(211.46,52.2)
GEM_OUT_N52: length 24.4
  TOP w0.127: R1135.1 v2(195.15,30.11) 194.19,30.11 R2351.2
  GND1 w0.127: v3(195.88,30.11) v2(195.15,30.11)
  SIG3 w0.127: v3(212.2,41.46) 200.84,30.11 v3(195.88,30.11)
  GND3 w0.127: v4(212.2,42.2) v3(212.2,41.46)
GEM_OUT_N53: length 1.5
  TOP w0.127: R1136.1 197.58,24.43 R2476.1
GEM_OUT_N54: length 36.5
  TOP w0.127: R1137.1 v2(196.57,21.68) 195.61,21.68 R2347.2
  GND1 w0.127: v3(197.31,21.68) v2(196.57,21.68)
  SIG3 w0.127: v3(197.31,21.68) 202.41,21.68 v3(222.2,41.46)
  GND3 w0.127: v4(222.2,42.2) v3(222.2,41.46)
GEM_OUT_N55: length 45.2
  TOP w0.127: R2313.2 209.29,17.89 v2(209.29,18.85) R1138.1
  GND1 w0.127: v3(209.29,19.58) v2(209.29,18.85)
  SIG3 w0.127: v3(231.46,52.2) 226.19,46.92 226.19,36.48 v3(209.29,19.58)
  GND3 w0.127: v4(232.2,52.2) v3(231.46,52.2)
GEM_OUT_N56: length 33.6
  TOP w0.127: R2343.2 212.06,17.92 v2(212.06,18.87) R1139.1
  GND1 w0.127: v3(212.06,19.61) v2(212.06,18.87)
  SIG3 w0.127: v3(212.06,19.61) 232.2,39.75 v3(232.2,41.46)
  GND3 w0.127: v4(232.2,42.2) v3(232.2,41.46)
GEM_OUT_N57: length 37.4
  TOP w0.127: R1140.1 v2(226.77,18.94) 227.73,18.94 R2335.2
  GND1 w0.127: v2(226.77,18.94) v3(227.51,18.94)
  SIG3 w0.127: v3(227.51,18.94) 229.68,18.94 v3(252.2,41.46)
  GND3 w0.127: v4(252.2,42.2) v3(252.2,41.46)
GEM_OUT_N58: length 44
  TOP w0.127: R2305.2 227.27,21.71 v2(226.31,21.71) R1141.1
  GND1 w0.127: v2(226.31,21.71) v3(227.05,21.71)
  SIG3 w0.127: v3(227.05,21.71) 251.46,46.12 v3(251.46,52.2)
  GND3 w0.127: v4(252.2,52.2) v3(251.46,52.2)
GEM_OUT_N59: length 23.5